# Altium PCB 小四轴.PcbDoc
Units mil, origin at the board's own origin, x right, y up, seen from the top; angles counter-clockwise.
Board outline 2952.73 x 2952.73 mil, 2 copper layers (Top Layer, Bottom Layer); 73 components, 58 nets, 235 pads, 125 vias.
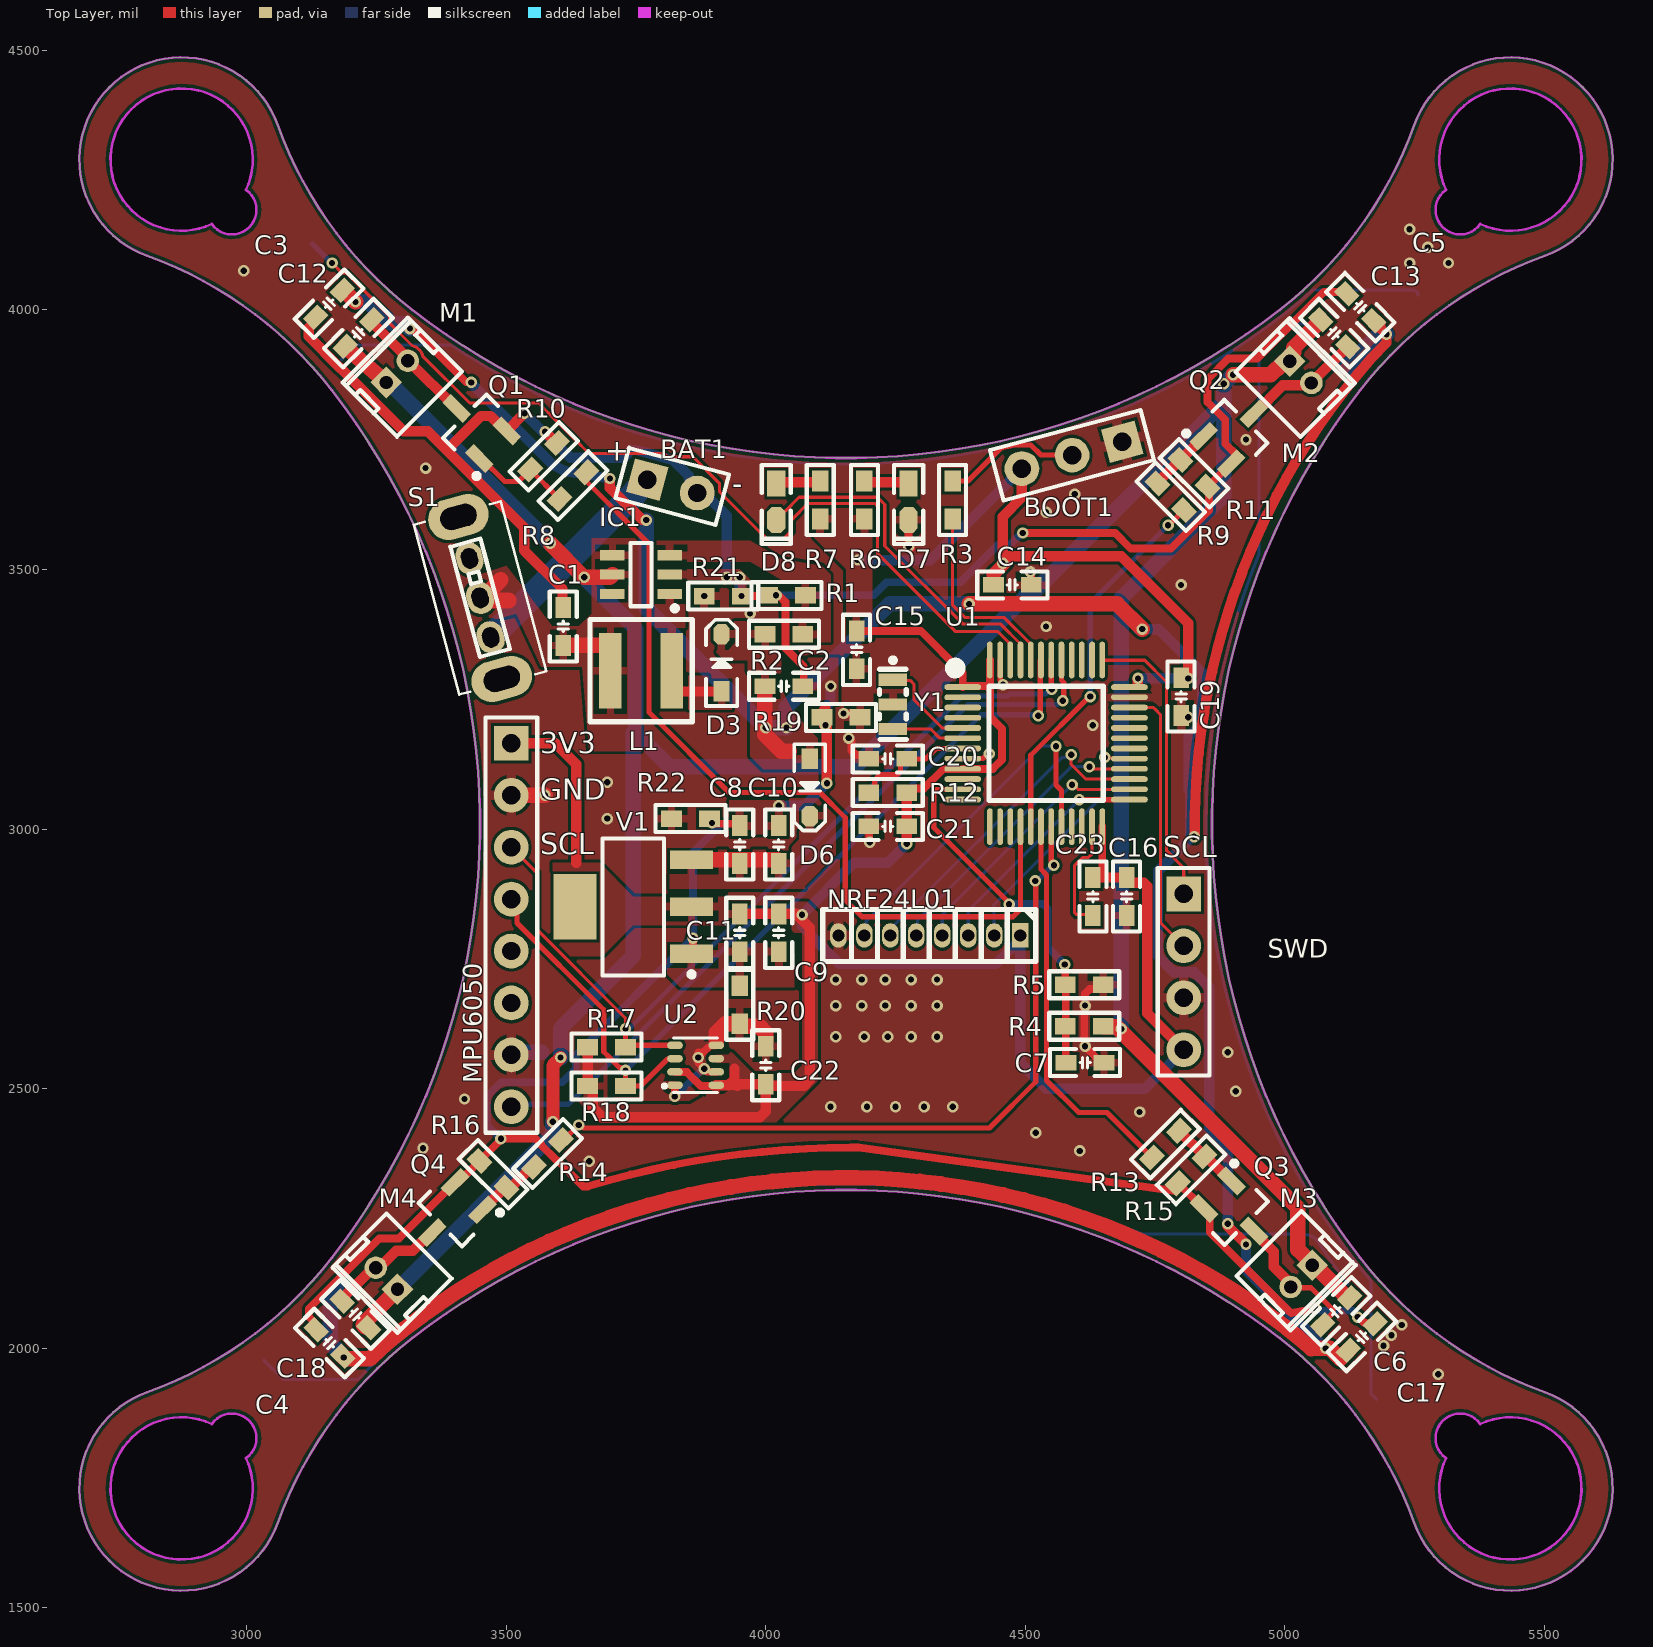
[diagram p0: Top Layer view]
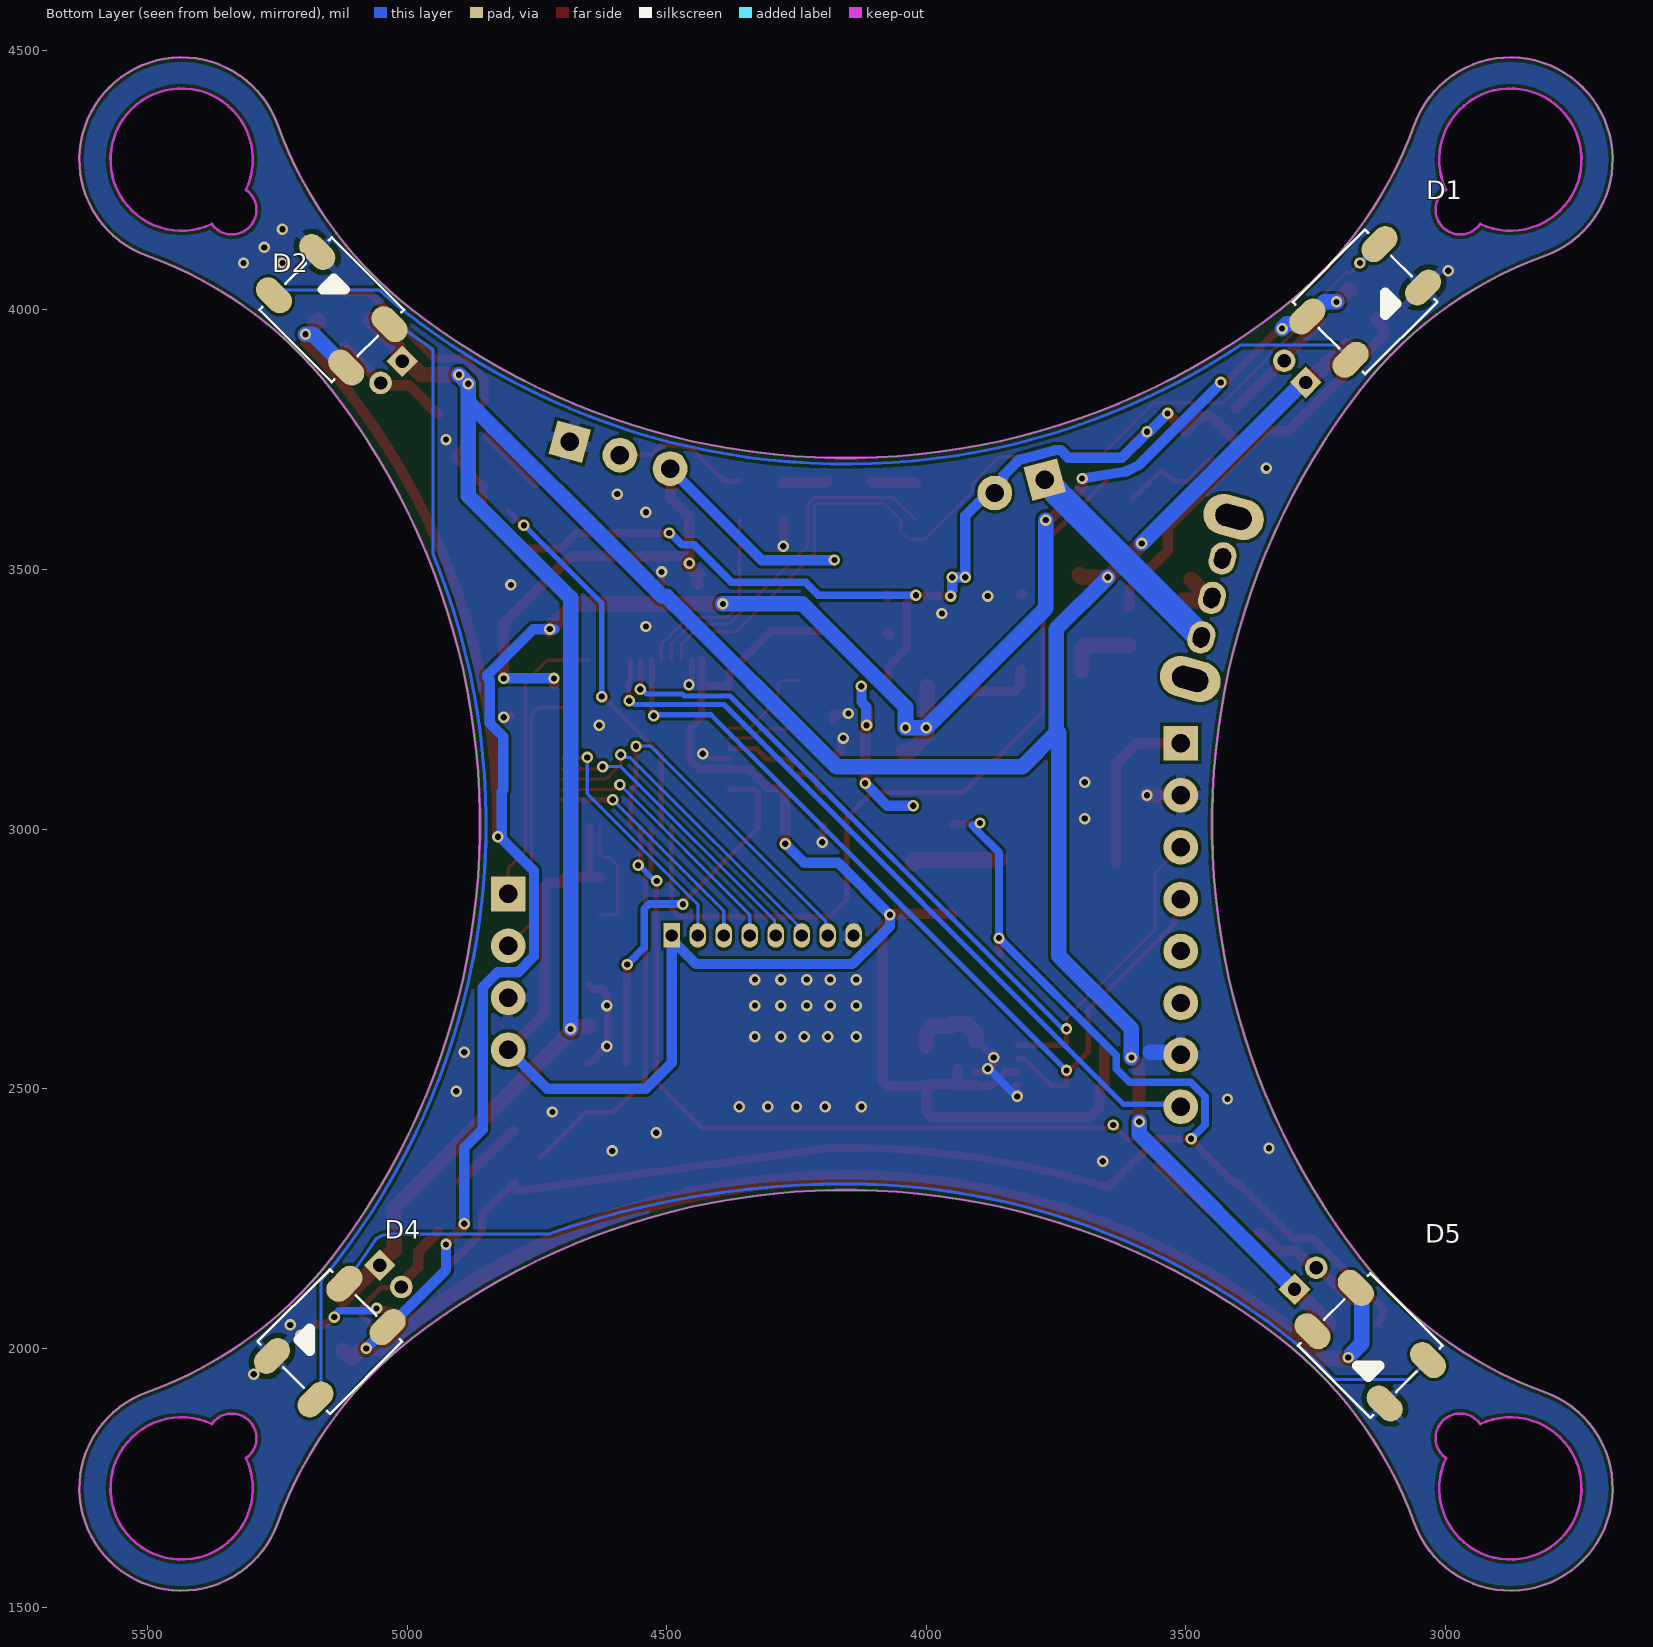
[diagram p1: Bottom Layer view, seen from below]

## Layer stack, top to bottom
Top Solder: solder mask 0.4, Solder Resist, Dk 3.5
Top Layer: signal copper 1.4
Dielectric 1: dielectric 12.6, FR-4, Dk 4.8
Bottom Layer: signal copper 1.4
Bottom Solder: solder mask 0.4, Solder Resist, Dk 3.5

## Board outline
2808.45,1915.33 ccw(c2875.1,1730.1) 3060.33,1663.45 cw(c3801.22,1396.85) 3319.7,2019.86 cw(c4154.63,939.6) 4989.56,2019.86 cw(c4508.04,1396.85) 5248.94,1663.45 ccw(c5434.16,1730.1) 5500.81,1915.33 cw(c5767.41,2656.22) 5144.41,2174.7 cw(c6224.67,3009.63) 5144.41,3844.56 cw(c5767.41,3363.04) 5500.81,4103.94 ccw(c5434.16,4289.16) 5248.94,4355.81 cw(c4508.04,4622.41) 4989.56,3999.41 cw(c4154.63,5079.67) 3319.7,3999.41 cw(c3801.22,4622.41) 3060.33,4355.81 ccw(c2875.1,4289.16) 2808.45,4103.94 cw(c2541.85,3363.04) 3164.86,3844.56 cw(c2084.6,3009.63) 3164.86,2174.7 cw(c2541.85,2656.22)
cut-out: 2933.31,4165.13 cw(c2875.1,4289.16) 2999.13,4230.95 2999.1,4230.97 cw(c2971.98,4192.28)
cut-out: 5310.16,4230.97 ccw(c5337.28,4192.28) 5375.97,4165.16 5375.95,4165.13 ccw(c5434.16,4289.16)
cut-out: 5310.16,1788.3 cw(c5337.28,1826.98) 5375.97,1854.1 5375.95,1854.13 cw(c5434.16,1730.1)
cut-out: 2933.31,1854.13 ccw(c2875.1,1730.1) 2999.13,1788.31 2999.1,1788.29 ccw(c2971.98,1826.98)

## Design rules (kind name [scope] priority, off if disabled: settings)
Clearance [All] p1: gap=6 ignorepadtopadclearanceinfootprint=FALSE
PlaneClearance [All] p1: clearance=8
PolygonConnect [All] p1: thpad.connectstyle=Relief thpad.reliefconductorwidth=20 thpad.reliefentries=4 thpad.polygonreliefangle="90 Angle" thpad.airgapwidth=6 smdpad.connectstyle=Relief smdpad.reliefconductorwidth=15 smdpad.reliefentries=4 smdpad.polygonreliefangle="90 Angle" smdpad.airgapwidth=10 via.connectstyle=Direct via.reliefconductorwidth=10 via.reliefentries=4 via.polygonreliefangle="90 Angle" via.airgapwidth=10
RoutingVias [All] p1: holewidth=12 width=22 viastyle="Through Hole" minholewidth=12 minwidth=22 maxholewidth=28 maxwidth=50
SilkToSolderMaskClearance [IsPad] p1: minsilkscreentomaskgap=2 clearancetoexposedcopper=TRUE
SolderMaskExpansion [All] p1: expansion=4 istentingtop=FALSE
Width PWR [InNetClass('电源')] p1: maxlimit=60 minlimit=6 preferedwidth=15 minimp=50.000000 maximp=50.000000 favimp=50.000000
Width 信号 [InNetClass('信号')] p2: maxlimit=20 minlimit=6 preferedwidth=6 minimp=50.000000 maximp=50.000000 favimp=50.000000
Width [All] p3: maxlimit=100 minlimit=6 preferedwidth=10 minimp=50.000000 maximp=50.000000 favimp=50.000000
28 further rules are at their usual default settings.

## Classes and differential pairs
net class 信号: RF_CE RF_CSN RF_IRQ RF_MISO RF_MOSI RF_SCK SCL SDA SWCLK SWDIO
net class POWR: 3V3 5V GGND GND VBAT

## Components (designator, comment, footprint, x,y, rotation, side; value= is the part's Value field where it differs from the comment)
BAT1 "BAT" HDR2.54-LI-2P 3820,3660 r345 top
BOOT1 "BOOT" HDR2.54-LI-3P 4590,3720 r195 top
C1 "C_0603" "C 0603_M" 3610,3390 r270 top value=22uF
C2 "C_0603" "C 0603_M" 4035,3275 r0 top value=22uF
C3 "C_0603" "C 0603_M" 3159.06,4011.61 r45 top value=0.1uF
C4 "C_0603" "C 0603_M" 3160,2010 r315 top value=0.1uF
C5 "C_0603" "C 0603_M" 5145,4005 r315 top value=0.1uF
C6 "C_0603" "C 0603_M" 5148.14,2021.86 r225 top value=0.1uF
C7 "C_0603" "C 0603_M" 4615,2550 r180 top value=0.1uF
C8 "C_0603" "C 0603_M" 3950,2970 r270 top value=0.1uF
C9 "C_0603" "C 0603_M" 4025,2800 r90 top value=0.1uF
C10 "C_0603" "C 0603_M" 4025,2970 r270 top value=10uF
C11 "C_0603" "C 0603_M" 3950,2800 r90 top value=10uF
C12 "C_0603" "C 0603_M" 3215.63,3955.04 r225 top value=4.7uF
C13 "C_0603" "C 0603_M" 5095,3955 r135 top value=4.7uF
C14 "C_0603" "C 0603_M" 4475,3470 r0 top value=0.1uF
C15 "C_0603" "C 0603_M" 4175,3345 r90 top value=0.1uF
C16 "C_0603" "C 0603_M" 4695,2870 r90 top value=0.1uF
C17 "C_0603" "C 0603_M" 5098.64,2071.36 r45 top value=4.7uF
C18 "C_0603" "C 0603_M" 3210,2065 r315 top value=4.7uF
C19 "C_0603" "C 0603_M" 4800,3255 r90 top value=1uF
C20 "C_0603" "C 0603_M" 4235,3135 r0 top value=0.1uF
C21 "C_0603" "C 0603_M" 4235,3005 r0 top value=0.1uF
C22 "C_0603" "C 0603_M" 4000,2545 r90 top value=0.1uF
C23 "C_0603" "C 0603_M" 4630,2870 r270 top value=0.1uF
D1 "P923D" RGB_LED_5050 3155,4015 r45 bottom
D2 "P923D" RGB_LED_5050 5145,4000 r315 bottom
D3 "B5919WS" SOD-323 3915,3320 r90 top
D4 "P923D" RGB_LED_5050 5148.64,2012.84 r225 bottom
D5 "P923D" RGB_LED_5050 3145,2005 r135 bottom
D6 "B5919WS" SOD-323 4085,3080 r270 top
D7 "红色" "LED 0603B" 4275,3630 r270 top
D8 "绿色" "LED 0603B" 4020,3630 r270 top
IC1 "SX1308" SOT23-6N 3760,3490 r90 top
L1 "Inductor" SWPA4012S 3760,3305 r0 top value=4.7uH
M1 "Motor_720" ZH1.5-LI-2p 3289.87,3880.79 r45 top
M2 "Motor_720" ZH1.5-LI-2p 5030,3880 r315 top
M3 "Motor_720" ZH1.5-LI-2p 5031.8,2138.87 r225 top
M4 "Motor_720" ZH1.5-LI-2p 3269.98,2134.31 r135 top
MPU6050 "HDR-1X8" HDR2.54-LI-8P 3510,2815 r270 top
NRF24L01 "HDR-1X8" HDR1.27-LI-8P 4315,2795 r180 top
Q1 "SI2302" SOT23-3M 3475,3740 r45 top
Q2 "SI2302" SOT23-3M 4870,3730 r315 top
Q3 "SI2302" SOT23-3M 4870.53,2295.8 r225 top
Q4 "SI2302" SOT23-3M 3428.02,2293.01 r135 top
R1 "R_0603" "R 0603_M" 4040,3450 r180 top value=2K,1%
R2 "R_0603" "R 0603_M" 4035,3375 r0 top value=14.7K,1%
R3 "R_0603" "R 0603_M" 4360,3633.5 r270 top value=10K
R4 "R_0603" "R 0603_M" 4613.5,2620 r0 top value=100K,1%
R5 "R_0603" "R 0603_M" 4613.5,2700 r180 top value=100K,1%
R6 "R_0603" "R 0603_M" 4190,3633.5 r90 top value=4.7K
R7 "R_0603" "R 0603_M" 4105,3633.5 r90 top value=4.7K
R8 "R_0603" "R 0603_M" 3628.95,3661.26 r225 top value=100R
R9 "R_0603" "R 0603_M" 4780,3640 r135 top value=100R
R10 "R_0603" "R 0603_M" 3572.38,3717.82 r225 top value=10K
R11 "R_0603" "R 0603_M" 4825,3685 r135 top value=10K
R12 "R_0603" "R 0603_M" 4235,3070 r0 top value=10K
R13 "R_0603" "R 0603_M" 4769.84,2393.09 r45 top value=100R
R14 "R_0603" "R 0603_M" 3580,2375 r225 top value=100R
R15 "R_0603" "R 0603_M" 4819.33,2343.6 r45 top value=10K
R16 "R_0603" "R 0603_M" 3475,2335 r315 top value=10K
R17 "R_0603" "R 0603_M" 3693.5,2580 r0 top value=4.7K
R18 "R_0603" "R 0603_M" 3693.5,2505 r0 top value=4.7K
R19 "R_0603" "R 0603_M" 4145,3215 r0 top value=0
R20 "R_0603" "R 0603_M" 3950,2661.5 r270 top value=0
R21 "R_0603" "R 0603_M" 3918.28,3448.49 r180 top value=0
R22 "R_0603" "R 0603_M" 3855,3020 r180 top value=0
S1 "SW-SPDT" SW-TH_OS102011MS2QN1 3450,3444.99 r285 top
SWD "HDR-1X4" HDR2.54-LI-4P 4805,2725 r270 top
U1 "STM32F103C8T6" LQFP48-7*7 4540,3165 r270 top
U2 "FBM320\BMP280\SPL06" SENSOR-TH_BMP280-BL 3865,2545 r0 top
V1 "AMS1117-3V3" SOT223_L 3745,2850 r180 top
Y1 "XTAL" OSC-SMD_3P-L3.2-W1.3-P1.20-L 4245,3240 r270 top value=8MHz

## Footprints (in the part's own frame and the unit in brackets; to place one, negate y for a bottom-side part, rotate by r counter-clockwise, add the part's x,y. Pads: shape width x height; smd on the part's side, far side on the other; paste and mask are expansions set on the pad)
"C 0603_M" [mil] "无极性贴片电容"
  rect 40x30 smd: 1(-36.5,0) 2(36.5,0)
  silkscreen extent -68,-26 68,26, body extent -31,-16 31,16, height 32
HDR1.27-LI-8P [mm] "直插，脚距：1.27mm                    @sucaita.com 素材塔"
  rect 0.8x1.2 hole 0.6: 1(-4.445,0)
  oval 0.8x1.2 hole 0.6: 2(-3.175,0) 3(-1.905,0) 4(-0.635,0) 5(0.635,0) 6(1.905,0) 7(3.175,0) 8(4.445,0)
  silkscreen extent -5.21,-1.27 5.21,1.27, body extent -5.08,-1.18 5.08,1.22, height 4.48
HDR2.54-LI-2P [mm]
  rect 1.7x1.7 hole 0.9: 1(-1.27,0)
  round 1.7 hole 0.9: 2(1.27,0)
  silkscreen extent -2.54,-1.27 2.54,1.27, body extent -2.54,-1.27 2.54,1.27, height 8.5
HDR2.54-LI-3P [mm] "排针，3脚"
  rect 1.7x1.7 hole 0.9: 1(-2.54,0)
  round 1.7 hole 0.9: 2(0,0) 3(2.54,0)
  silkscreen extent -3.81,-1.27 3.81,1.27, body extent -3.81,-1.27 3.81,1.27, height 8.5
HDR2.54-LI-4P [mm] "排针，4脚"
  rect 1.7x1.7 hole 0.9: 1(-3.81,0)
  round 1.7 hole 0.9: 2(-1.27,0) 3(1.27,0) 4(3.81,0)
  silkscreen extent -5.08,-1.27 5.08,1.27, body extent -5.08,-1.27 5.08,1.27, height 8.5
HDR2.54-LI-8P [mm] "排针，8脚"
  rect 1.7x1.7 hole 0.9: 1(-8.89,0)
  round 1.7 hole 0.9: 2(-6.35,0) 3(-3.81,0) 4(-1.27,0) 5(1.27,0) 6(3.81,0) 7(6.35,0) 8(8.89,0)
  silkscreen extent -10.16,-1.27 10.16,1.27, body extent -10.16,-1.27 10.16,1.27, height 8.5
"LED 0603B" [mil] "蓝色0603LED                    @sucaita.com 素材塔"
  rect 50x35 smd: 1(-35,0.26)
  oct 50x35 smd: 2(35,0.26)
  silkscreen extent -71,-28 81,28, body extent -31,-16 32,16, height 24
LQFP48-7*7 [mm] "7x7mm，0.5mm"
  oval 0.279x1.8 smd: 1(-2.75,-4.075) 2(-2.25,-4.075) 3(-1.75,-4.075) 4(-1.25,-4.075) 5(-0.75,-4.075) 6(-0.25,-4.075) 7(0.25,-4.075) 8(0.75,-4.075) 9(1.25,-4.075) 10(1.75,-4.075) 11(2.25,-4.075) 12(2.75,-4.075) 25(2.75,4.075) 26(2.25,4.075) 27(1.75,4.075) 28(1.25,4.075) 29(0.75,4.075) 30(0.25,4.075) 31(-0.25,4.075) 32(-0.75,4.075) 33(-1.25,4.075) 34(-1.75,4.075) 35(-2.25,4.075) 36(-2.75,4.075)
  oval 1.8x0.279 smd: 13(4.075,-2.75) 14(4.075,-2.25) 15(4.075,-1.75) 16(4.075,-1.25) 17(4.075,-0.75) 18(4.075,-0.25) 19(4.075,0.25) 20(4.075,0.75) 21(4.075,1.25) 22(4.075,1.75) 23(4.075,2.25) 24(4.075,2.75) 37(-4.075,2.75) 38(-4.075,2.25) 39(-4.075,1.75) 40(-4.075,1.25) 41(-4.075,0.75) 42(-4.075,0.25) 43(-4.075,-0.25) 44(-4.075,-0.75) 45(-4.075,-1.25) 46(-4.075,-1.75) 47(-4.075,-2.25) 48(-4.075,-2.75)
  silkscreen extent -3.93,-4.69 2.79,2.79, body extent -4.5,-4.5 4.5,4.5, height 1.45
OSC-SMD_3P-L3.2-W1.3-P1.20-L [mil]
  rect 23.6x55.1 smd mask+2: 1(-47.2,0) 2(0,0) 3(47.2,0)
  silkscreen extent -90,-26 68,26
"R 0603_M" [mil] "1/10W贴片电阻"
  rect 40x31.5 smd: 1(-36.5,0) 2(36.5,0)
  silkscreen extent -68,-26 68,26, body extent -31,-16 32,16, height 16
RGB_LED_5050 [mm]
  oval 1.2x2 smd: 1(-1.5,-2.5) 2(1.5,-2.5) 3(1.5,2.5) 4(-1.5,2.5)
  silkscreen extent -2.5,-2.5 2.5,2.5, body extent -2.5,-2.7 2.5,2.7, height 1.55
SENSOR-TH_BMP280-BL [mil]
  oval 30.2x14.3 smd mask+2: 1(-39.7,-38.4) 2(-39.7,-12.8) 3(-39.7,12.8) 4(-39.7,38.4) 5(39.7,38.4) 6(39.7,12.8) 7(39.7,-12.8) 8(39.7,-38.4)
  silkscreen extent -63,-52 42,52
SOD-323 [mm] "1.8x1.3X0.9mm（长宽高，不包括引脚）                    @sucaita.com 素材塔"
  rect 1x0.8 smd: 1(-1.4,0)
  oct 1x0.8 smd: 2(1.4,0)
  silkscreen extent -2.11,-0.76 2.11,0.76, body extent -1.34,-0.63 1.31,0.67, height 1
SOT23-3M [mm] "3x1.3x1mm(长宽高)"
  rect 0.6x1.4 smd: 1(-0.95,0) 2(0.95,0) 3(0,2.514)
  silkscreen extent -1.78,-0.63 1.5,1.97, body extent -1.5,0.07 1.5,2.47, height 1.05
SOT23-6N [mm] "3x1.6x1.1mm(长宽高)                    @sucaita.com 素材塔"
  rect 0.5x1.2 smd: 1(-0.95,-1.4) 2(0,-1.4) 3(0.95,-1.4) 4(0.95,1.4) 5(0,1.4) 6(-0.95,1.4)
  silkscreen extent -1.78,-1.78 1.55,0.51, body extent -1.5,-1.4 1.5,1.4, height 1.15
SOT223_L [mm] "SOT223, 4-Leads, Body 6.5x3.5mm, Pitch 2.3mm, Lead Span 7mm, IPC High Density"
  rect 2.1x0.9 smd: 1(-2.85,2.3) 2(-2.85,0) 3(-2.85,-2.3)
  rect 2.1x3.2 smd: 4(2.85,0)
  silkscreen extent -2.98,-3.35 1.5,3.42, body extent -1.85,-3.35 1.85,3.35, height 1.7
SW-TH_OS102011MS2QN1 [mm]
  oval 1.6x1.3 hole 0.8 slot 0.998 at 0 deg mask+0.051: 1(-2,0)
  oval 1.6x1.3 hole 0.8 slot 1.001 at 0 deg mask+0.051: 2(0,0) 3(2,0)
  oval 2x3 hole 1.1 slot 1.8 at 90 deg mask+0.051: 4(-4.1,0) 5(4.1,0)
  silkscreen extent -4.3,-2.2 4.3,2.2
SWPA4012S [mm] "轮廓4mm*4mm ，焊盘间距1.9mm"
  rect 1.1x3.7 smd: 1(-1.5,0) 2(1.5,0)
  silkscreen extent -2.5,-2.5 2.5,2.5, body extent -2,-2 2,2, height 1.2
ZH1.5-LI-2p [mm] "长：4.5，宽：3.65，高：4.55"
  rect 1.1x1.1 hole 0.65: 1(-0.75,0)
  round 1.1 hole 0.65: 2(0.75,0)
  silkscreen extent -2.25,-2.25 2.25,1.5, body extent -2.25,-2.15 2.25,1.5, height 4.6

## Part data
BAT1: "Header, 2-Pin", PackageReference=HDR1X2, Published=8-August-2017, Publisher=mazhongwei
BOOT1: library part "Header 3", "Header, 3-Pin", LatestRevisionDate=17-Jul-2002, LatestRevisionNote="Re-released for DXP Platform.", Publisher="Altium Limited"
D3 D6: library part 1N5819, "肖特基二极管", BOM名称=肖特基二极管, 属性=40V/2A, 欢迎光临=https://shop463601444.taobao.com, 淘宝ID="封装库来自淘宝 ID：黄晶宝石"
D7 D8: library part "LED 0603", "发光二极管", LatestRevisionDate=08-Jul-2005, LatestRevisionNote="Mech Layer 1 removed.", PackageDescription="LED; 2 Leads", PackageReference=LED-0, Published=8-Jun-2000, Publisher="Altium Limited"
IC1: "可调升压芯片", BOM名称=可调升压芯片, 学习资源=www.ooocke.com, 版权归属="封装库来自淘宝 ID：黄晶宝石"
L1: "电感", Code_IEC=1005, Code_JEITA=0402, LatestRevisionDate=17-Jul-2002, LatestRevisionNote="Re-released for DXP Platform.", PackageReference=0402-A, Published=8-Jun-2000, Publisher="Altium Limited"
M1 M2 M3 M4: "Motor, General Kind", PackageReference=RB5-10.5, Published=8-August-2017, Publisher=mazhongwei
MPU6050 NRF24L01: library part "Header 8", "8P接插件"
  MPU6050: BOM名称=8P接插件, 学习资源=https://shop463601444.taobao.com, 版权归属="封装库来自淘宝 ID：黄晶宝石"
  NRF24L01: 封装库来自淘宝卖家 ID：黄晶宝石=https://shop463601444.taobao.com
Q1 Q2 Q3 Q4: "N-Channel Power MOSFET", PackageReference=SOT23-3, Published=8-August-2017, Publisher=mazhongwei
S1: "SPDT Subminiature Toggle Switch, Right Angle Mounting, Vertical Actuation", PackageReference=SWITCH_PWR, Published=10-August-2017, Publisher=mazhongwei
SWD: library part "Header 4", "4P接插件", BOM名称=4P接插件, 学习资源=https://shop463601444.taobao.com, 版权归属="封装库来自淘宝 ID：黄晶宝石"
U2: library part FBM320, "气压计", PackageReference=LGA-2_5X2MM, Published=8-August-2017, Publisher=mazhongwei
V1: library part AMS1117, "三端稳压芯片", BOM名称=稳压芯片, 欢迎光临淘宝店铺=https://shop463601444.taobao.com, 淘宝ID="封装库来自淘宝 ID：黄晶宝石"
Y1: library part XTAL_2, PackageReference=SMD-cstse800G52-r0, Published=8-August-2017, Publisher=mazhongwei
C1 C2 C3 C4 C5 C6 C7 C8 C9 C10 C11 C12 C13 C14 C15 C16 C17 C18 C19 C20 C21 C22 C23: LatestRevisionDate=17-Jul-2002, LatestRevisionNote="Re-released for DXP Platform.", PackageDescription="Radial Cap, Thru-Hole; 2 Leads; 0.3 in Pin Spacing", PackageReference=RAD-0.3, Published=8-Jun-2000, Publisher="Altium Limited"
D1 D2 D4 D5: PackageReference=RGB_LED_5050, Published=8-August-2017, Publisher=mazhongwei
R1 R2 R3 R4 R5 R6 R7 R8 R9 R10 R11 R12 R13 R14 R15 R16 R17 R18 R19 R20 R21 R22: LatestRevisionDate=17-Jul-2002, LatestRevisionNote="Re-released for DXP Platform.", PackageDescription="Axial Device, Thru-Hole; 2 Leads; 0.4 in Pin Spacing", PackageReference=AXIAL-0.4, Published=8-Jun-2000, Publisher="Altium Limited"

## Via types
v1: diameter 22, hole 12, Top Layer to Bottom Layer, 125 vias

## Nets (pads, with @x,y where several pads share a name; then routed paths per layer and width w, separated by ;. In a path a pad name is that pad's centre, name@x,y a point inside that pad or via, vN(x,y) a via of type N, cw(c..) or ccw(c..) an arc to the next point about the centre after c; other vN are vias at no path point)
3V3: BOOT1.3 C9.2 C11.2 C14.1 C15.2 C16.2 C19.2 C21.2 C22.1 C23.1 MPU6050.1 NRF24L01.1 R6.1 R7.1 R12.2 R17.1 R18.1 SWD.4 U1.1 U1.9 U1.24 U1.36 U1.48 U2.2 U2.6 U2.8 V1.2 | length 5707.5
  Top Layer w15: U2.2 3825.65,2531.85 3848.15,2531.85 3875,2505 3928.28,2505 ; U2.8@3904.7,2505 3928.28,2505 ; 3945,2505 3928.28,2505 ; C15.2 4298.5,3381.5 4379.55,3300.45 U1.1 4381.55,3275.27 4426.92,3275.27 ; R12.2 4279.75,3078.25 4304.89,3078.25 4341.75,3115.1 4378.87,3115.1 U1.9 4437.48,3115.79 4455.18,3133.48 4455.18,3192.99 4432.42,3215.76 4432.42,3268.97 4430.5,3270.89 4431.73,3272.12 U1.48 ; 4648.27,2906.5 U1.24
  Top Layer w20: MPU6050.1 3595,3165 3635,3125 3635,2935 ; R17.1 R18.1 3661.25,2505 3667,2499.25 3667,2463 3685,2445 3988.28,2445 4000,2456.72 C22.1@4000,2505 ; U2.8 3928.28,2506.6 3940,2518.32 3940,2538.76 ; 3945,2505 3948.18,2508.18 3995,2508.18 3995.32,2508.5 C22.1 C22.1@4000,2505 ; C11.2 C9.2 4058.5,2836.5 4065,2830 4085,2810 4085,2516.72 4073.28,2505 C22.1@4000,2505 ; v1(4271.5,2971.5) C21.2 R12.2 ; 4435.38,3489.84 4435.38,3490.38 4470,3525 4685,3525 4813.47,3396.53 4813.47,3290.38 v1(4813.86,3290) ; C14.1 4442.43,3473.93 4442.43,3490.38 v1@4463.63,3511.59 ; v1(4456.17,3511.79) 4456.17,3601.17 4493.41,3638.41 BOOT1.3 ; C23.1 4655,2906.5 ; 4648.27,2913.23 4655,2906.5 ; U1.36@4716.62,3277.77 4716.62,3289.62 v1(4717,3290) ; SWD.4 4735,2645 4735,2890 4728.5,2896.5 4700,2896.5 4695,2901.5 C16.2 4655,2906.5
  Bottom Layer w20: v1(4176.97,3518.03) 4177.26,3517.74 4317.03,3517.74 BOOT1.3 ; v1(4271.5,2971.5) 4235,2935 4170,2935 v1(4070,2835) 4070,2812.23 4098.67,2783.56 4142.23,2740 4442.87,2740 NRF24L01.1@4490,2787.13 ; NRF24L01.1 NRF24L01.1@4490,2787.13 ; v1(4717,3290) v1(4813.86,3290) ; SWD.4 4730,2500 4540,2500 4490,2550 NRF24L01.1@4490,2787.13
5V: C2.1 C3.2 C4.2 C5.2 C6.2 D1.3 D2.3 D3.2 D4.3 D5.3 D6.1 R2.1 | length 7413.2
  Top Layer w15: v1(3314.79,3963.66) 3318.23,3963.66 3330.07,3951.83 3331.96,3951.83 v1@3423.41,3860.38
  Top Layer w20: v1@3432.56,3860.38 v1(3432.94,3860) ; v1(3700,3675) 3700,3657.37 3761.99,3595.38 3769.62,3595.38 v1(3770,3595) ; v1(4825,2985) 4826.29,2985 cw(c6197.79,3002.83) 5166.36,3906.98 5195.54,3936.16 v1(5195.54,3952.73) 5170.81,3977.46 C5.2 ; v1(4890,2240) 4890,2235 v1(4925,2200)
  Top Layer w30: C3.2 3186.23,4038.77 v1(3210,4015) ; C4.2 C4.2@3187.5,1982.5 ; C4.2@3193.06,1980 3237.75,1980 cw(c3801.22,1396.85) 3305.61,2038.66 cw(c4154.63,939.6) 5003.99,2038.41 cw(c4508.04,1396.85) 5050.99,1999.15 5051.7,1999.64 v1(5078.33,1999.64) 5086.63,1999.64 5106.27,1980 C6.2 ; C2.1 3998.5,3181.5 4030,3150 4045,3150 ; v1(4391.6,3433.5) 4676.5,3433.5 v1(4725,3385) ; C5.2 C5.2@5178.4,3971.6
  Bottom Layer w20: v1(3432.94,3860) 3432.94,3859.46 3433.94,3858.46 3433.94,3857.82 3591.76,3700 3614.56,3688.67 v1(3700,3675) ; v1@4716,3385 v1(4725,3385) 4757.04,3385 4845.77,3296.28 4845.77,3291.72 4840.86,3286.81 4840.86,3203.82 4815,3177.96 4815,3075 4817.95,3072.05 4817.95,2981.65 4755.54,2919.23 4755.54,2754.51 4770,2740.05 ; 4770,2740 4785.54,2724.46 4825.49,2724.46 4854.46,2695.49 4854.46,2421.62 4890,2386.09 v1(4890,2240) ; v1(4925,2200) 4925,2150.66 5034.98,2040.68 D4.3 v1(5078.33,1999.64)
  Bottom Layer w30: D5.3 3161.7,2105.22 3161.7,2008.77 v1@3180.24,1990.24 ; v1(3210,4015) 3233.85,4015 3261.69,3987.16 D1.3 3280.79,3972.73 3305.72,3972.73 v1(3314.79,3963.66) ; v1(3770,3595) 3770,3425 v1(4000,3195) v1(4040,3195) 4040,3235 4238.5,3433.5 v1(4391.6,3433.5) ; D2.3@5121.83,3888.64 D2.3 5181.24,3952.73 v1(5195.54,3952.73)
  other v1: 3187.26,1982.26
BOOT0: R3.2 U1.44 | length 378.1
  Top Layer w6: R3.2 4360,3431.16 4384.16,3407 4459.68,3407 4510.47,3356.2 U1.44
GGND: BAT1.2 C1.1 C2.2 C3.1 C4.1 C5.1 C6.1 C8.1 C9.1 C10.1 C11.1 IC1.2 Q1.2 Q2.2 Q3.2 Q4.2 R1.2 R10.1 R11.1 R15.1 R16.1 R19.1 R20.1 R21.1 R22.1 V1.1 | length 7218.7
  Top Layer w15: C4.1@3130.66,2047.27 3130.66,2049.95 3120,2060.61 3120,2075.8 3234.54,2190.34 3255.63,2211.43 3293.55,2211.43 Q4.2 3407.67,2319.46 3424.9,2336.69 3425.07,2336.69 R16.1 3490,2401.62 v1(3490,2403.31) 3557.03,2403.31 3567.03,2393.31 3567.03,2392.21 3597.21,2362.03 3598.31,2362.03 3648.68,2311.66 3654.9,2311.66 3657.12,2311.67 cw(c4163.78,634.04) 4163.71,2386.5 ; V1.1 3860,2762.24 v1(3860,2790) ; R22.1@3895,3010 v1(3896.5,3011.5) 3897.84,3010.16 3946.34,3010.16 C8.1 ; v1(3953.28,3448.49) R21.1 4001.99,3448.49 R1.2 ; v1@4025,3450 4038,3437 4038,3348.27 4073.43,3312.84 4073.43,3276.93 C2.2 ; 4163.74,2386.5 cw(c4163.7,7.22) 4178.72,2386.46 4789.15,2302.83 4793.27,2316.92 R15.1 4794.58,2317.79 4843.02,2269.35 Q3.2 4855.22,2258.21 4855.22,2223.98 4996.35,2082.84 5007.97,2071.22 cw(c4154.63,939.6) 5012.44,2067.84 5019.33,2069.16 v1(5058.72,2076.7) ; v1(4495,3570) 4673.23,3570 4703.23,3540 4780,3540 4853.82,3613.82 4853.82,3656.18 R11.1 4851.45,3659.19 4895.81,3703.55 Q2.2 4906.95,3714.06 4906.95,3720.16 4884.89,3742.22 4884.89,3788.01 4851.06,3821.84 4851.06,3866.37 4890.8,3906.11 4946.81,3906.11 5075.05,4034.34 5115.66,4034.34 C5.1 ; v1(5140,2060) 5141.33,2060 5152.29,2049.05 5154.9,2049.05 5159.8,2044.14 5170.41,2044.14 C6.1@5173.88,2047.6
  Top Layer w20: C3.1 3133.25,3978.73 3119.61,3965.09 3119.61,3948.52 3179.66,3888.48 3180.7,3888.48 3303.03,3766.15 3348.85,3766.15 3385.82,3729.18 ; v1(3535.33,3800.33) Q1.2 3498.89,3766.45 3469.91,3795.42 3452.06,3795.42 3385.82,3729.18 ; v1(3575,3765) 3596.37,3743.63 R10.1 ; C1.1 3608.66,3427.84 3608.66,3462.58 3535,3536.24 3535,3580 3385.82,3729.18 ; R19.1@4112.85,3200 4112.85,3229.81 4115,3231.96 4115,3232.5 ; v1(4117.85,3087.96) R19.1@4117.85,3207.5
  Bottom Layer w15: v1(3490,2403.31) 3463.04,2430.27 3463.04,2484.45 3491.01,2512.43 3608.23,2512.43 3634,2538.2 3634,2564 v1(3860,2790) 3860,2955 3911.5,3006.5 ; v1(4020,3450) 4207.5,3450 4232.5,3475 4375,3475 4447.45,3547.45 4470.55,3547.45 4493.11,3570 v1(4495,3570) ; v1(5058.72,2076.7) 5063.21,2072.2 5130.78,2072.2 v1@5140,2062.99
  Bottom Layer w20: v1(3535.33,3800.33) 3570.27,3765.38 v1@3574.62,3765.38 ; v1(3575,3765) 3575.38,3764.62 3575.38,3762.43 3623.15,3714.67 3726.33,3714.67 3733.63,3721.96 3733.7,3722.21 3741.41,3729.93 3750.15,3729.93 3820.97,3710.95 3828.69,3703.23 3828.69,3703.18 3851.7,3680.16 3851.7,3676.35 3925,3603.05 v1(3925,3485) v1(3950,3485) 3950,3460 ; v1(4025,3045) 4074.89,3045 v1(4117.85,3087.96) ; v1(4115,3200) 4115.38,3200.38 4115.38,3235.38 4120,3240 4120,3240.54 4124.74,3245.29 4124.74,3274.49 v1(4125.13,3274.87)
GND: BOOT1.1 C7.1 C14.2 C15.1 C16.1 C19.1 C20.1 C21.1 C22.2 D1.1 D2.1 D4.1 D5.1 D7.2 MPU6050.2 MPU6050.7 NRF24L01.8 R5.1 R19.2 R20.2 R21.2 R22.2 SWD.3 U1.8 U1.35 U1.47 U2.1 U2.5 U2.7 Y1.2 | length 1012.3
  Top Layer w10: U1.8 4379.74,3135.66 4418.38,3135.66 4427.43,3144.72 v1(4430.68,3144.72) ; U1.47 4451.61,3325.26 4451.61,3286.44 4456.92,3281.13 v1(4456.92,3277.88)
  Top Layer w15: v1(3825,2485) 3825,2506.3 U2.1 ; v1(3870,2560) v1@3870,2570 ; 3888.2,2578.45 3879.75,2570 v1@3870,2570 ; U2.7 3904.35,2532.55 3887.45,2532.55 v1(3881.78,2538.22) 3870,2550 v1@3870,2570 ; v1(4150,3222.5) 4167.5,3222.5 R19.2@4175,3215 ; v1(4160,3175) 4165,3170 4165,3151.29 4173.79,3142.5 4191,3142.5 C20.1 ; R19.2@4180,3207.84 R19.2@4180,3222.5 ; C21.1 4199.53,3003.97 4199.53,2975.47 v1(4200.56,2974.44) ; D7.2 v1(4275.26,3544.74) v1@4280,3540 ; v1(4509.83,3495.17) 4510.66,3494.34 4510.66,3470.84 C14.2 ; R5.1 4641.75,2691.75 4623.79,2691.75 4615,2682.97 v1(4615,2660) 4613.5,2658.5 4613.5,2596.71 4613.5,2583 v1(4615,2581.5) 4646.5,2550 C7.1 ; C19.1 4802.16,3216.34 4812.52,3216.34 v1(4813.86,3215)
  Top Layer w30: MPU6050.2 v1(3575,3065) ; 3904.7,2591.25 3904.7,2607.43 3922.27,2625 R20.2 3950,2620.75 3950.75,2620 3987.43,2620 4000,2607.43 C22.2
  Bottom Layer w15: v1(3825,2485) 3826.78,2485 3880,2538.22 v1(3881.78,2538.22)
  Bottom Layer w30: MPU6050.7 3515.13,2570.13 3569,2570.13
  other v1: 5295,1950 5190,2005 5205,2025 5225,2045 3660,2360 4605,2380 3340,2385 4520,2415 4720,2455 4125,2465 4195,2465 4250,2465 4305,2465 4360,2465 3420,2480 4905,2495 4890,2570 4135,2600 4190,2600 4235,2600 4280,2600 4330,2600 4135,2660 4185,2660 4230,2660 4280,2660 4330,2660 4135,2710 4185,2710 4230,2710 4280,2710 4330,2710 3695,3020 3695,3090 4630,3200 4540,3390 3970,3415 3881.78,3448.49 4800,3470 4540,3610 4595,3645 3345,3695 4925,3750 2995,4075 5240,4090 5315,4090 5275,4120 5240,4155
INT: MPU6050.8 U1.41 | length 1482.4
  Top Layer w10: MPU6050.8 MPU6050.8@3520.89,2475.89 ; U1.41 4569.72,3325.26 4569.72,3286.51 4574,3282.22 4574,3249 v1(4572,3247)
  Bottom Layer w10: MPU6050.8 3515,2470 3620,2470 4389.88,3239.88 4472.66,3239.88 4472.78,3240 4561.75,3240 4568.75,3247 v1(4572,3247)
NetBAT1_1: BAT1.1 S1.3 | length 397
  Bottom Layer w50: S1.3 3470.38,3369.74 3475.88,3375.23 BAT1.1@3750.55,3649.9
NetBOOT1_2: BOOT1.2 R3.1 | length 265.2
  Top Layer w10: R3.1 4389.35,3670 4452.84,3733.49 ccw(c4082.82,5403.82) 4480.29,3739.81 4510.6,3739.81 4530.41,3720 BOOT1.2
NetC8_2: C8.2 C10.2 D6.2 V1.3 | length 173.6
  Top Layer w30: V1.3 3950,2940.55 4022.95,2940.55 4025,2938.5 C10.2
NetC12_1: C12.1 M1.2 Q1.3 | length 240.1
  Top Layer w10: Q1.3@3403.73,3809.99 Q1.3
  Top Layer w20: C12.1 3241.44,3975.92 3310.75,3906.6 M1.2 3312.04,3901.67 Q1.3@3403.73,3809.99
NetC13_1: C13.1 M2.2 Q2.3 | length 234.4
  Top Layer w20: Q2.3 4941.36,3799.98 4995.64,3854.26 5015.75,3854.26 5016.15,3854.66 5046.42,3854.66 M2.2 5050.88,3859.19 5120.81,3929.12 C13.1
NetC17_1: C17.1 M3.2 Q3.3 | length 273.3
  Top Layer w10: M3.2 5012.52,2116.39 5050.14,2116.39 5092.41,2074.12 5092.41,2068.06 5072.83,2048.48 C17.1
  Top Layer w20: Q3.3 4940.51,2223.25 4978.18,2185.58 4978.18,2157.04 5010.92,2124.3 M3.2
NetC18_1: C18.1 M4.2 Q4.3 | length 235.1
  Top Layer w20: C18.1@3176.66,2093.28 3181.92,2093.28 3243.84,2155.19 M4.2 3255.41,2155.19 3288.15,2187.93 3320.37,2187.93 3355.47,2223.03 Q4.3
NetC23_2: C23.2 U1.23 | length 223.8
  Top Layer w6: U1.23 4628.58,2952.1 4621.49,2945 4610,2945 4595,2930 4595,2838.51 4598.51,2835 4628.5,2835 C23.2
NetD1_4: D1.4 D2.2 | length 2218
  Bottom Layer w6: D1.4 3211.52,3932.33 3310.75,3932.33 3393.57,3932.33 ccw(c4154.63,5079.67) 4996.53,3990.25 4996.67,3990.36 ccw(c4650.6,4438.06) 4996.91,3990.55 ccw(c4508.04,4622.41) 5052.66,4037.92 5246.28,4037.92 cw(c5246.28,4027.84) D2.2
NetD2_4: D2.4 D4.2 | length 2214.5
  Bottom Layer w6: D2.4 5024.63,3973.74 5022.18,3974.17 4950,3923.52 4950,3530.05 ccw(c6224.67,3009.63) 5135.36,2167.59 ccw(c5767.41,2656.22) 5165.35,2131.09 5165.35,1912.62 D4.2
NetD3_1: D3.1 IC1.1 L1.2 | length 134.1
  Top Layer w20: IC1.1 3816.93,3452.6 IC1.1@3817.09,3452.44 ; L1.2@3817.09,3306.97 L1.2 3819.06,3276.54 3830.71,3264.88 D3.1
NetD4_4: D4.4 D5.2 | length 2258.4
  Bottom Layer w6: D5.2 3070.81,1940 3165,1940 3212.75,1940 ccw(c3212.75,1946) 3217.14,1941.91 cw(c3801.22,1396.85) 3312.7,2028.98 cw(c4154.63,939.6) 4154.63,2316.41 cw(c4154.63,565.64) 4727.59,2220 5029.55,2220 cw(c5029.55,2164.76) 5058.94,2211.53 5059.66,2210.45 ccw(c6513.62,3176.35) D4.4
NetD7_1: D7.1 R6.2 | length 87.3
  Top Layer w20: R6.2 4192.5,3667.5 4272.76,3667.5 D7.1
NetD8_1: D8.1 R7.2 | length 86.8
  Top Layer w20: D8.1 4022.76,3667.5 4102.5,3667.5 R7.2
NetIC1_3: IC1.3 R1.1 R2.2 | length 7.1
  Top Layer w20: R2.2 R2.2@4074,3377.5 ; R1.1@4074,3447.5 R1.1
NetQ1_1: Q1.1 R8.2 R10.2 | length 205.9
  Top Layer w10: Q1.1 3452.88,3713.55 3497.27,3669.16 3523.72,3669.16 R10.2 R8.2
NetQ2_1: Q2.1 R9.2 R11.2 | length 127.7
  Top Layer w20: R9.2 4754.19,3666.45 4843.55,3755.81 Q2.1
NetQ3_1: Q3.1 R13.2 R15.2 | length 141.4
  Top Layer w20: R13.2 R15.2 4847.48,2369.41 4894.64,2322.24 Q3.1
NetQ4_1: Q4.1 R14.2 R16.2 | length 133.9
  Top Layer w20: Q4.1 3497.09,2309.19 3509.19,2309.19 3549.19,2349.19 R14.2
NetU1_5: U1.5 Y1.1 | length 190.5
  Top Layer w6: Y1.1 4245.86,3286.34 4278.04,3286.34 4285.49,3278.88 4285.49,3248.95 4339.91,3194.53 U1.5
NetU1_6: U1.6 Y1.3 | length 142
  Top Layer w6: Y1.3 4317.23,3192.8 4335,3175.03 4379.36,3175.03 U1.6
nRST: C20.2 R12.1 U1.7 | length 234.6
  Top Layer w10: R12.1 4199.14,3070 4209.89,3080.75 4209.89,3094.89 4220,3105 4253.57,3105 4259.43,3110.86 4259.43,3127.93 4266.5,3135 4307.85,3135 4328,3155.16 U1.7
PA2: U1.12
PA3: U1.13
PA4: U1.14
PA5: U1.15
PA9: U1.30
PA10: U1.31
PA11: U1.32
PA12: U1.33
PB10: U1.21
PB11: U1.22
PC13: U1.2
PC14: U1.3
PWM1: R8.1 U1.16 | length 1649.4
  Top Layer w10: R8.1 3653.49,3685.79 3653.49,3670.59 3775,3549.08 3775,3225 3929.6,3070.4 4104.6,3070.4 4153.36,3021.64 4153.36,2863.31 4185.54,2831.12 4476.1,2831.12 4490.79,2845.81 U1.16
PWM2: R9.1 U1.17 | length 733.8
  Top Layer w10: U1.17 4510.47,3142.04 4623.43,3255 v1(4625,3255) ; v1(4775,3585) 4776.62,3585 R9.1
  Bottom Layer w10: v1(4625,3255) 4625,3435 v1(4775,3585)
PWM3: R13.1 U1.18 | length 753.2
  Top Layer w10: U1.18@4530.16,2999.82 4530.16,2922.47 4541,2911.63 4541,2515.62 4602.83,2453.79 4657.52,2453.79 R13.1
PWM4: R14.1 U1.19 | length 1478.1
  Top Layer w10: R14.1 3610.81,2400.81 v1(3640,2430) 3643.25,2430 3649.25,2424 4430.82,2424 4520,2513.18 4520,2899 v1(4519,2900) ; U1.19 4549.84,2938.4 4555,2933.25 v1(4555,2930)
  Bottom Layer w10: v1(4519,2900) 4522.5,2900 4552.5,2930 v1(4555,2930)
RF_CE: NRF24L01.2 U1.29 | length 479.6
  Top Layer w6: v1(4652.98,3137.88) 4654.43,3136.43 4699.49,3136.43 U1.29
  Bottom Layer w6: NRF24L01.2 4440,2854.66 4652.98,3067.64 v1(4652.98,3137.88)
RF_CSN: NRF24L01.3 U1.25 | length 446.7
  Top Layer w10: v1(4603.88,3056.42) 4669.49,3056.42 4669.62,3056.54 4700.26,3056.54 U1.25
  Bottom Layer w6: NRF24L01.3 4390,2842.54 v1(4603.88,3056.42)
RF_IRQ: NRF24L01.7 U1.20 | length 693.2
  Top Layer w10: v1(4559.05,3159.51) 4559.05,3084.83 4569.53,3074.36 U1.20
  Bottom Layer w6: NRF24L01.7 4193.59,2798.59 4193.59,2822.28 4530.83,3159.51 v1(4559.05,3159.51)
RF_MISO: NRF24L01.6 U1.27 | length 642
  Top Layer w6: v1(4588.25,3142.86) 4588.25,3124.36 4616.19,3096.42 4700.13,3096.42 U1.27
  Bottom Layer w6: NRF24L01.6 4240,2807.39 4570,3137.39 4582.78,3137.39 v1(4588.25,3142.86)
RF_MOSI: NRF24L01.5 U1.28 | length 562.7
  Top Layer w6: v1(4623.46,3120.09) 4627.77,3115.79 U1.28
  Bottom Layer w6: NRF24L01.5 4291.96,2796.96 4291.96,2823.91 4588.15,3120.09 v1(4623.46,3120.09)
RF_SCK: NRF24L01.4 U1.26 | length 507.6
  Top Layer w6: v1(4590,3085) 4592.93,3085 4601.51,3076.42 U1.26
  Bottom Layer w6: NRF24L01.4 4340,2835 v1(4590,3085)
RGBLED: D1.2 U1.46 | length 1835.2
  Top Layer w6: v1(3165,4090) 3183.83,4071.17 3192.13,4071.17 3275.19,3988.11 3275.19,3974.9 3318.84,3931.24 cw(c3310.75,3901.67) 3340.32,3909.76 3429.76,3820.33 3562.51,3820.33 3597.84,3785 3632.47,3750.37 3659.78,3723.06 3805.11,3723.06 3811.35,3716.82 3859.84,3716.82 3910.65,3666.01 3910.65,3650.1 3983.29,3577.46 4002.86,3557.89 4033.51,3557.89 4050,3574.38 4050,3595.81 4080.99,3626.8 4210.42,3626.8 4215,3622.21 4215,3531.02 4366.02,3380 4447.31,3380 4471.1,3356.2 U1.46
  Bottom Layer w10: D1.2 3163.52,4090 v1(3165,4090)
SCL: MPU6050.3 R17.2 U1.42 U2.4 | length 1721.4
  Top Layer w6: MPU6050.3 3560,2915 3560,2805.74 3730,2635.74 v1(3730,2615)
  Top Layer w10: v1(3730,2615) R17.2 3733.4,2583.4 U2.4 ; U1.42 4550.03,3325.26 4550.03,3269.78 v1(4550.82,3269)
  Bottom Layer w10: v1(3730,2615) 3732.3,2617.3 3739.26,2617.3 4377.85,3255.88 4466.03,3255.88 4470.15,3260 4538.96,3260 4547.96,3269 v1(4550.82,3269)
SDA: MPU6050.4 R18.2 U1.43 U2.3 | length 1761.1
  Top Layer w10: MPU6050.4 3520.89,2854.11 3520.89,2819.11 3688,2652 3688,2570.93 3699,2559.93 3699,2559.7 3705.44,2553.25 3705.68,2553.25 3718.58,2540.35 3721.4,2540.35 3726.75,2535 v1(3730,2535) R18.2 3758.72,2505 3810.69,2556.98 3824.48,2556.98 U2.3 ; v1(4525,3218) 4525,3220 4528.82,3223.82 4528.82,3324.11 U1.43
  Bottom Layer w10: v1(3730,2535) 4415,3220 4523,3220 v1(4525,3218)
SWCLK: SWD.1 U1.37 | length 563
  Top Layer w6: U1.37 4648.72,3325 4730,3325 4772,3283 4772,3198.77 4772.19,3198.58 4772.19,2957.81 4805,2925 SWD.1
SWDIO: SWD.2 U1.34 | length 529.2
  Top Layer w6: U1.34 4746.49,3233.9 4750,3230.38 4760,3220.38 4760,2820 SWD.2
USERLED: D8.2 U1.45 | length 683.6
  Top Layer w6: D8.2 4020.26,3595.5 4036.99,3612.23 4037.49,3612.23 4064.06,3638.8 4215.39,3638.8 4229.31,3624.88 4229.31,3544.88 4379.19,3395 4451.99,3395 4490.79,3356.2 U1.45
VBAT: C1.2 C12.2 C13.2 C17.2 C18.2 IC1.4 IC1.5 L1.1 M1.1 M2.1 M3.1 M4.1 R4.2 S1.2 | length 6411.8
  Top Layer w25: v1(3590,2436.29) 3590,2545 v1(3605,2560)
  Top Layer w30: C12.2 M1.1 ; C18.2@3228.28,2041.66 3224.74,2045.2 3228.28,2048.73 3228.28,2050.85 M4.1 ; 3490,3480 3489.6,3480 3454.6,3445 S1.2 3455,3440 3505,3440 ; v1(3585,3550) v1(3650.35,3484.65) 3650.54,3484.84 3699.72,3484.84 IC1.5 ; C1.2 3694.29,3353.5 3700.94,3346.85 L1.1 ; R4.2 4650.75,2619.25 4675.75,2619.25 5025,2270 5025,2190 5052.68,2162.32 M3.1 5057.27,2159.75 5122.15,2094.87 C17.2 ; v1(4900,3875) 4972.54,3875 4982.8,3885.26 4984.09,3885.26 4999.71,3900.88 M2.1 5009.12,3910.29 5017.13,3918.3 5017.13,3927.13 5070,3980 C13.2
  Bottom Layer w30: M1.1 3275.09,3859.91 v1(3585,3550) ; M4.1 3590,2412.57 v1(3590,2436.29) ; v1(3605,2560) 3605,2615.63 3745,2755.63 3745,3185 3750,3190 3750,3385 v1(3650.35,3484.65) ; 3750,3185 3815,3120 4172.5,3120 4500.38,3447.87 4507.78,3447.87 4562.13,3502.22 4865,3805.09 4880,3820.09 ; v1(4685,2615) 4685,3445 4882.32,3642.32 v1(4882.32,3857.32) v1(4900,3875)
VBAT_T: C7.2 R4.1 R5.2 U1.11 | length 724.2
  Top Layer w10: U1.11 4379.36,3076.23 4329.57,3076.23 4323.71,3070.37 4323.71,3003.17 4468.79,2858.09 v1(4468.79,2855.16)
  Top Layer w15: v1@4575,2740 v1(4576,2739) 4577,2738 R5.2 4577.75,2699.25 4577.75,2550.75 C7.2
  Bottom Layer w15: v1(4468.79,2855.16) 4468.91,2855.29 4534.21,2855.29 4543,2846.5 4543,2772 v1(4576,2739)
pads on no net: D5.4 IC1.6 MPU6050.5 MPU6050.6 S1.1 S1.4 S1.5 U1.4 U1.10 U1.38 U1.39 U1.40 V1.4

## Polygon pours and split planes (outlines as drawn)
GND on Top Layer "GND_L01_P025" (solid, remove dead copper, pour order 25): 2655,4505 5665,4505 5665,1500 2655,1500
GND on Top Layer "GND_L01_P021" (solid, remove dead copper, pour order 21): 4155,3330 4200,3330 4200,3220 4215,3205 4270,3205 4275,3200 4275,3170 4235,3170 4220,3155 4220,3115 4145,3115 4150,3120 4150,3325
NetIC1_3 on Top Layer "NETIC1_3_L01_P001" (solid, remove dead copper, pour order 1): 4050,3360 4125,3360 4125,3490 4108,3507 4030,3520 3970,3555 3790,3555 3790,3520 3795,3515 3970,3515 4030,3480 4050,3480
GGND on Top Layer "GGND_L01_P007" (solid, pour order 7): 3950,3500 3985,3465 4025,3465 4025,3435 3955,3435 3910,3480 3795,3480 3795,3500
3V3 on Top Layer "3V3_L01_P020" (solid, remove dead copper, pour order 20): 4040,2815 4055,2800 4070,2800 4070,2545 4055,2530 3975,2530 3935,2570 3895,2570 3895,2550 3896.72,2548.28 3930.48,2548.28 3930.48,2516.12 3934.14,2512.46 3931.68,2510 3885,2510 3885,2480 3885,2488.13 3855,2470 3695,2470 3695,2575 3665,2605 3655,2595 3630,2595 3630,2485 3680,2435 4020,2435 4100,2515 4100,2840 4080,2860 4015,2860 4010,2855 4010,2820 4035,2820
GGND on Top Layer "GGND_L01_P012" (solid, pour order 12): 4055,3330 4140,3330 4140,3225 4095,3225 4055,3265 4050,3265 4050,3325
GGND on Top Layer "GGND_L01_P018" (solid, pour order 18): 4040,2990 3935,2990 3930,2995 3930,3055 4035,3055 4040,3050
NetC8_2 on Top Layer "NETC8_2_L01_P000" (solid, remove dead copper, pour order 0): 4065,3045 4065,2980 4045,2960 3815,2960 3815,2885 4075,2885 4075,2890 4135,2950 4135,3045
5V on Top Layer "5V_L01_P011" (solid, remove dead copper, pour order 11): 3970,3290 3970,3140 3995,3115 4100,3115 4100,3175 4051.88,3226.01 4020,3290
5V on Top Layer "5V_L01_P003" (solid, pour order 3): 3890,3400 4020,3400 4030,3390 4030,3245 3975,3245 3965,3255 3965,3325 3920,3325 3890,3355 3895,3360 3890,3355
GGND on Top Layer "GGND_L01_P017" (solid, pour order 17): 4040,2780 4055,2765 4055,2695 3835,2695 3810,2720 3810,2780
3V3 on Top Layer "3V3_L01_P016" (solid, remove dead copper, pour order 16): 3590,2915 3590,2755 3685,2755 3745,2815 4040,2815 4040,2860 4030,2870 3745,2870 3680,2935 3590,2935
3V3 on Top Layer "3V3_L01_P014" (solid, remove dead copper, pour order 14): 4095,3620 4205,3620 4205,3365 4155,3365 4155,3500 4090,3565 4090,3615
VBAT on Top Layer "VBAT_L01_P006" (solid, remove dead copper, pour order 6): 3430,3390 3520,3415 3567.6,3312.49 3646.89,3312.49 3660,3150 3760,3150 3760,3555 3755,3560 3665,3560 3665,3415 3640,3390 3588.75,3390 3525,3475 3500.72,3507.38 3409.65,3476.37 3426.37,3412.51
NetD3_1 on Top Layer "NETD3_1_L01_P004" (solid, remove dead copper, pour order 4): 3790,3460 3795,3465 3835,3465 3845,3455 3845,3295 3930,3295 3935,3290 3935,3230 3785,3230 3785,3460 3790,3465 3820,3465
no net on Top Layer "NONET_L01_P002" (solid, pour order 2): 3895,3395
GND on Bottom Layer "GND_L02_P024" (solid, remove dead copper, pour order 24): 2635,4500 5690,4500 5690,1515 2635,1515

## Keep-outs
Keep-Out Layer:
  lines w5: 2933.29,1854.1 cw(c2971.98,1826.98) 2999.1,1788.29 ; 2933.31,1854.13 ccw(c2875.1,1730.1) 2999.13,1788.31 ; 2999.1,4230.97 cw(c2971.98,4192.28) 2933.29,4165.16 cw(c2875.1,4289.16) 2999.13,4230.95 ; 5375.97,1854.1 ccw(c5337.28,1826.98) 5310.16,1788.3 ccw(c5434.16,1730.1) 5375.95,1854.13 ; 2808.45,1915.33 ccw(c2541.85,2656.22) 3164.86,2174.7 ccw(c2084.6,3009.63) 3164.86,3844.56 ccw(c2541.85,3363.04) 2808.45,4103.94 cw(c2875.1,4289.16) 3060.33,4355.81 ccw(c3801.22,4622.41) 3319.7,3999.41 ccw(c4154.63,5079.67) 4989.56,3999.41 ccw(c4508.04,4622.41) 5248.94,4355.81 cw(c5434.16,4289.16) 5500.81,4103.94 ccw(c5767.41,3363.04) 5144.41,3844.56 ccw(c6224.67,3009.63) 5144.41,2174.7 ccw(c5767.41,2656.22) 5500.81,1915.33 cw(c5434.16,1730.1) 5248.94,1663.45 ccw(c4508.04,1396.85) 4989.56,2019.86 ccw(c4154.63,939.6) 3319.7,2019.86 ccw(c3801.22,1396.85) 3060.33,1663.45 cw(c2875.1,1730.1) 2808.45,1915.33 ; 5310.16,4230.97 ccw(c5337.28,4192.28) 5375.97,4165.16 ccw(c5434.16,4289.16) 5310.13,4230.95

## Silkscreen, mask and mechanical layers (free items; w line width, h text height)
Top Overlay:
  text "+" at 3691,3709.34 h40
  text "-" at 3936,3646.01 h40
  text "3V3" at 3566,3146 h40
  text "GND" at 3566,3056 h40
  text "SCL" at 3566,2951 h40
  text "SCL" at 4766,2946 h40
Mechanical 6:
  lines w10: 2745.36,4160.36 2766.07,4160.36 ; 2750.32,1860.32 2769.74,1860.32 ; 2766.07,4178.93 2766.07,4160.36 ; 2769.74,1840.26 2769.74,1860.32 ; 2979.08,1598.78 cw(c2875.1,1730.1) 2769.74,1860.32 ; 2988.89,4413.78 ccw(c2875.1,4289.16) 2766.07,4160.36 ; 5318.17,4406.78 cw(c5434.16,4289.16) 5533.41,4157.11 ; 5319.6,1604.56 ccw(c5434.16,1730.1) 5584.46,1809.44 ; 5533.41,4173.41 5533.41,4157.11 ; 5552.11,4157.11 5533.41,4157.11 ; 5584.46,1789.46 5584.46,1809.44 ; 5585.01,1809.44 5585.56,1809.44 ; 5600,1795 5585.56,1809.44 ; 5584.46,1809.44 5585.56,1809.44 ; 5584.46,1809.44 5585.56,1809.44